# Altium PCB XTRXr5.PcbDoc (part 3 of 5)
Units mm, origin at the board's own origin, x right, y up, seen from the top; angles counter-clockwise.
Board outline 50.8 x 29.7 mm, 8 copper layers (Top Layer, Layer 2 Plain, Layer 3, Layer 4, Layer 5 Plane, Layer 6, Layer 7 Plane, Bottom Layer), stack 1.008 mm thick; 452 components, 359 nets, 1868 pads, 1040 vias.
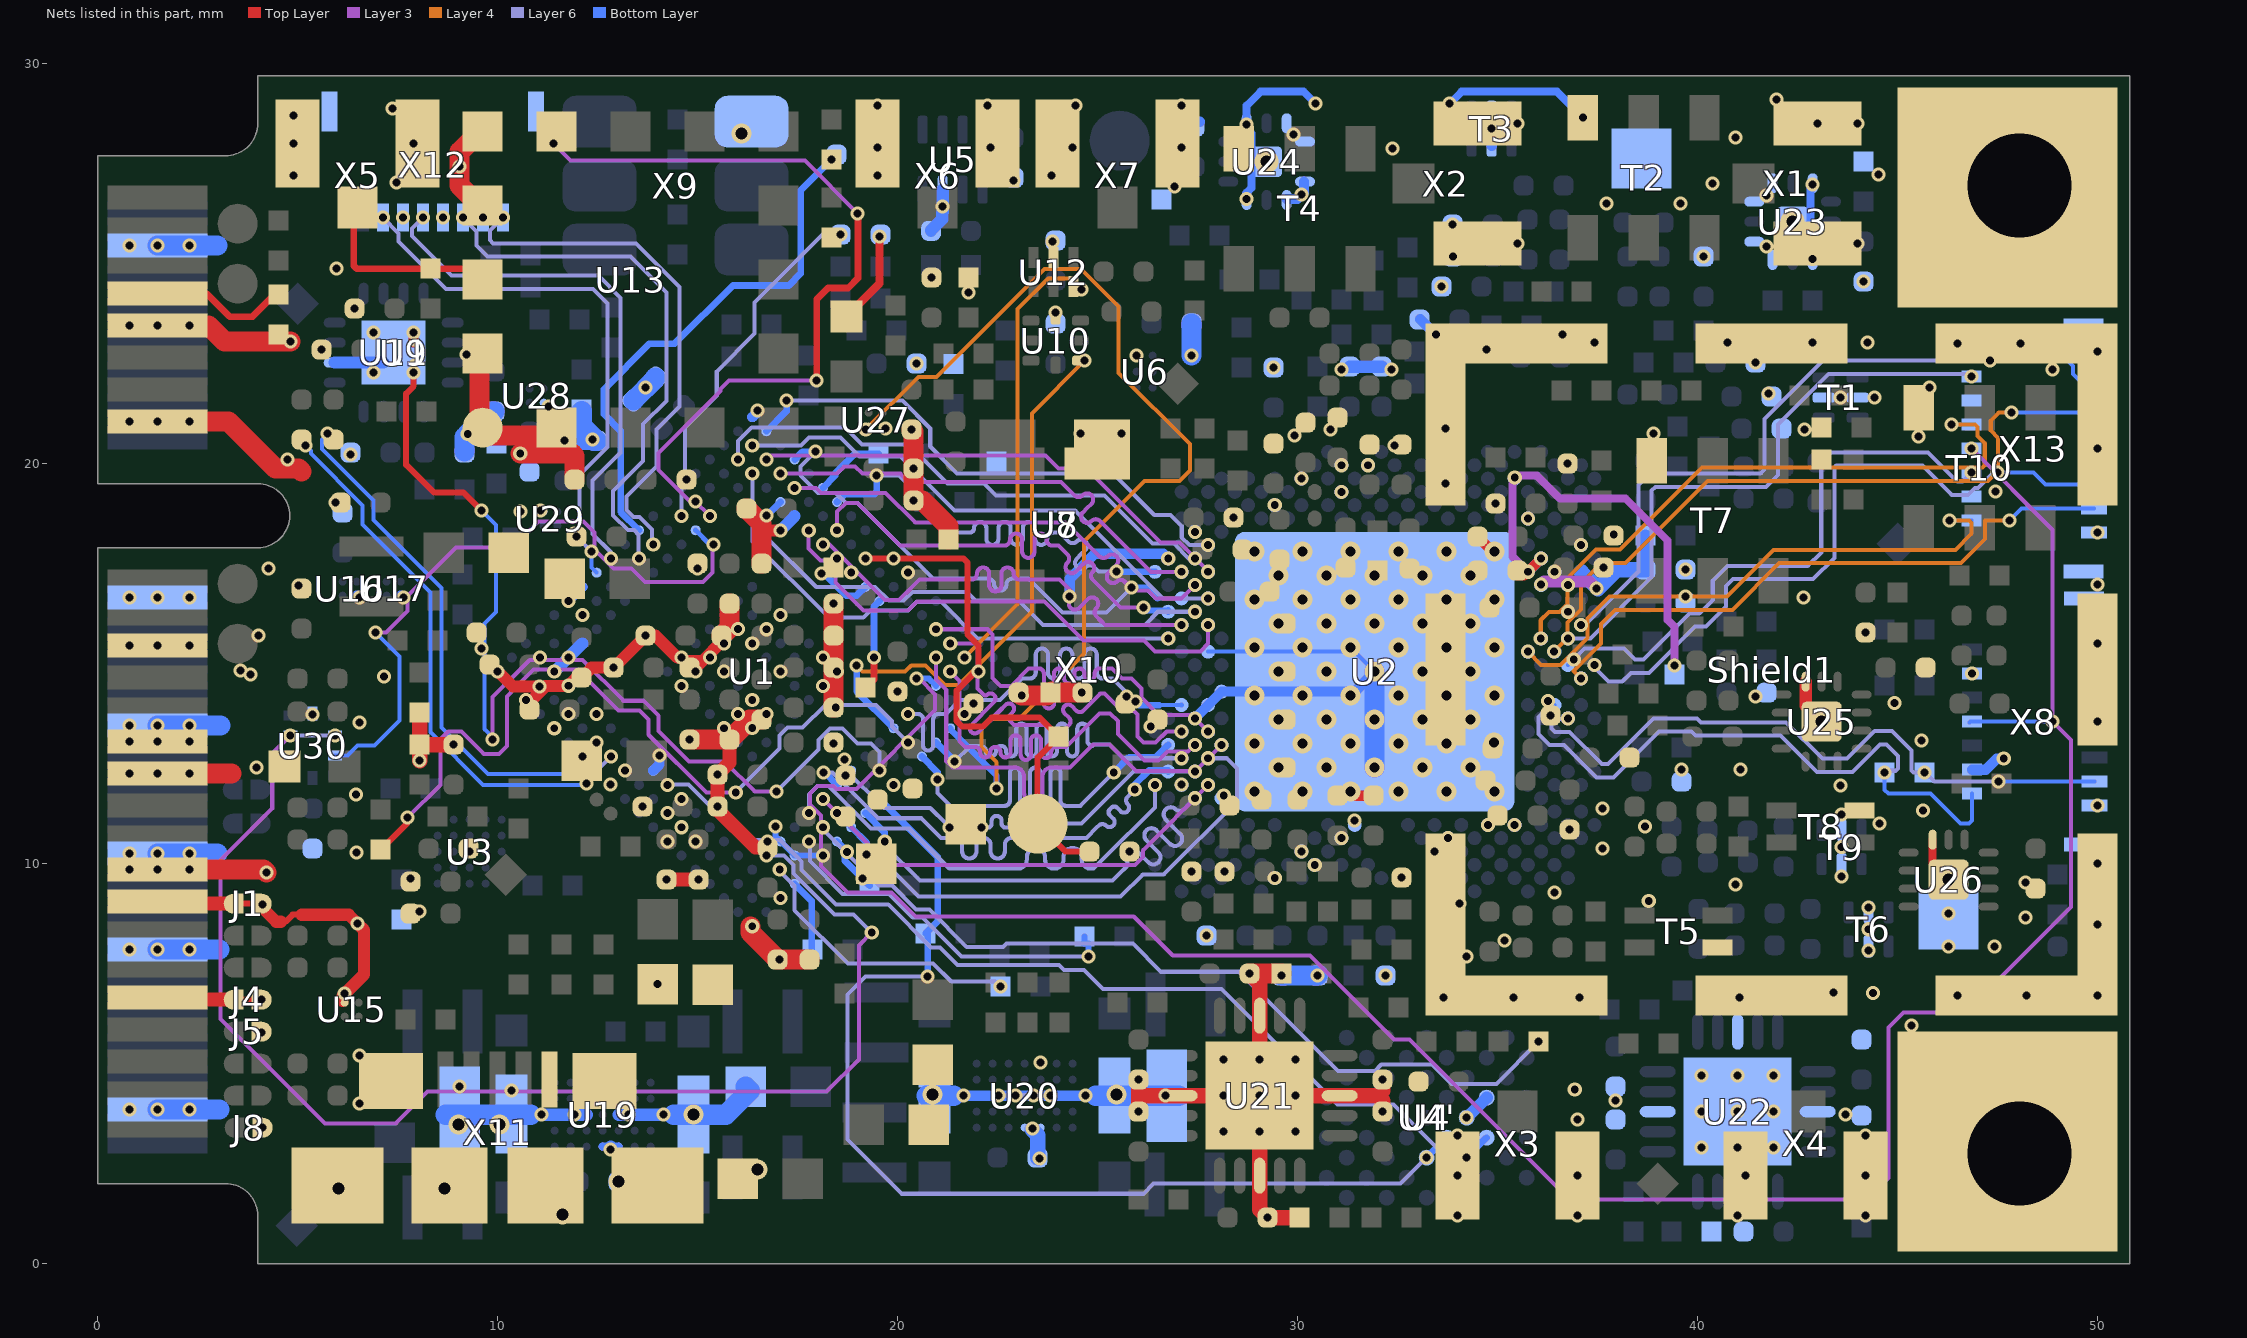
[diagram p9: the nets of this part, all layers, seen from the top]

## Via types
v1: diameter 0.352, hole 0.198, Top Layer to Bottom Layer, tented both sides, 495 vias
v2: diameter 0.352, hole 0.198, Layer 6 to Bottom Layer, tented both sides, 218 vias
v3: diameter 0.352, hole 0.198, Top Layer to Layer 3, tented both sides, 102 vias
v4: diameter 0.5, hole 0.3, Top Layer to Bottom Layer, tented both sides, 78 vias
v5: diameter 0.5, hole 0.25, Top Layer to Bottom Layer, tented both sides, 61 vias
v6: diameter 0.352, hole 0.198, Layer 6 to Bottom Layer, tented bottom, 31 vias
v7: diameter 0.352, hole 0.198, Top Layer to Bottom Layer, tented bottom, 19 vias
v8: diameter 0.29, hole 0.13, Layer 6 to Bottom Layer, tented both sides, 16 vias
v9: diameter 0.352, hole 0.198, Top Layer to Layer 3, tented top, 7 vias
v10: diameter 0.352, hole 0.198, Top Layer to Layer 3, tented bottom, 6 vias
v11: diameter 0.6, hole 0.3, Top Layer to Bottom Layer, tented both sides, 4 vias
v12: diameter 0.29, hole 0.13, Layer 6 to Bottom Layer, tented bottom, 2 vias
v13: diameter 0.352, hole 0.198, Top Layer to Layer 3, 1 vias

## Nets (pads, with @x,y where several pads share a name; then routed paths per layer and width w, separated by ;. In a path a pad name is that pad's centre, name@x,y a point inside that pad or via, vN(x,y) a via of type N, cw(c..) or ccw(c..) an arc to the next point about the centre after c; other vN are vias at no path point) (continued)
ADC2Q_N: R84.2 U2.Y4 X8.14 | length 16.2
  Layer 6 w0.102: v2(36.259,14.065) 36.243,14.05 36.243,13.885 36.02,13.662 36.02,13.238 36.291,12.967 36.657,12.967 37.465,12.159 37.891,12.159 39.035,13.303 39.847,13.303 39.95,13.2 42.075,13.2 42.98,12.295 43.874,12.295 44.563,12.984 44.716,12.984 45.01,12.69 45.01,12.382 44.95,12.323 44.723,12.323 v2(44.675,12.275)
  Bottom Layer w0.102: v2(36.259,14.065) 36.357,13.968 U2.Y4@36.421,13.968 ; v2(44.675,12.275) 44.675,11.841 44.766,11.75 45.826,11.75 46.576,11 46.781,11 46.86,11.079 X8.14@46.86,11.75
ADC2Q_P: R84.1 U2.AA3 X8.13 | length 16.6
  Layer 6 w0.102: v2(36.754,13.634) 36.738,13.619 36.444,13.619 36.35,13.525 36.35,13.375 36.428,13.297 36.794,13.297 37.602,12.489 37.754,12.489 38.898,13.633 39.984,13.633 40.087,13.53 42.212,13.53 43.116,12.626 43.738,12.626 44.426,13.314 44.853,13.314 45.34,12.827 45.34,12.335 45.4,12.275 v2(45.675,12.275) 45.689,12.275 45.914,12.05 v2(47.525,12.05) 47.541,12.05 v2@47.55,12.059
  Bottom Layer w0.102: v2(47.525,12.05) X8.13@49.925,12.05
C0_N: C31.2 U1.A8 | length 13
  Bottom Layer w0.102: v1(5.75,20.75) 5.607,20.607 5.607,20.368 6.9,19.075 6.9,18.591 8.598,16.893 8.598,13.402 9.753,12.247 12.008,12.247 12.089,12.328 12.361,12.328 12.364,12.325 U1.A8@12.475,12.325
C0_P: C30.2 U1.B8 | length 13.9
  Layer 6 w0.102: v2(12.225,12) 12.225,12.075 v2(12.828,12.679)
  Bottom Layer w0.102: v1@5.2,20.4 v1(5.2,20.451) 5.328,20.323 5.328,20.252 6.621,18.959 6.621,18.475 8.318,16.777 8.318,13.287 9.637,11.968 12.207,11.968 12.225,11.986 v2(12.225,12)
CLK_REQUEST#: R54.2 X10.7 | length 3.5
  Top Layer w0.17: X10.7@1.5,24.25 2.725,24.25 3.3,23.675 3.875,23.675 4.4,24.2 R54.2@4.525,24.2
DAC1I_N: U2.P2 X13.3 | length 18.1
  Layer 6 w0.102: v2(37.087,15.966) 37.186,15.966 38.52,17.299 38.52,19.462 38.809,19.751 41.576,19.751 41.675,19.85 41.675,21.117 43.133,22.575 47.075,22.575 v2(47.307,22.575)
  Bottom Layer w0.102: v2(47.307,22.575) 48.391,22.575 48.541,22.725 49.103,22.725 49.381,22.446 49.381,22.244 49.751,21.875 X13.3@49.913,21.875
DAC1I_P: U2.R3 X13.2 | length 14.9
  Layer 6 w0.102: v2(36.754,15.633) 37.32,15.633 38.85,17.163 38.85,19.325 38.946,19.421 41.713,19.421 42.005,19.713 42.005,20.98 43.27,22.245 46.778,22.245 v2(46.848,22.175)
DAC1Q_N: U2.R5 X13.6 | length 15.7
  Layer 4 w0.102: v1(36.077,15.626) 36.077,16.086 36.284,16.294 36.547,16.294 36.749,16.495 36.749,17.146 37.328,17.725 37.455,17.851 38.059,17.851 40.11,19.902 47.121,19.902 47.176,19.958 47.176,20.511 46.997,20.691 46.997,20.915 46.938,20.975 v1(46.35,20.975)
  Bottom Layer w0.102: v1(46.35,20.975) X13.6@46.848,20.975
DAC1Q_P: U2.T4 X13.5 | length 17.6
  Layer 4 w0.102: v1(36.411,15.309) 36.749,15.647 36.749,16.029 37.079,16.359 37.079,17.009 37.591,17.521 38.196,17.521 40.247,19.572 47.257,19.572 47.507,19.821 47.507,20.648 47.327,20.827 47.327,21.075 47.527,21.275 v1(47.85,21.275)
  Bottom Layer w0.102: v1@47.85,21.275 49.65,21.275 49.725,21.2 49.8,21.275 X13.5@49.913,21.275
DAC2I_N: U2.U1 X13.11 | length 17.2
  Layer 6 w0.102: v2(37.42,14.967) 37.42,14.899 37.768,14.55 38.114,14.55 38.334,14.77 38.78,14.77 39.936,15.925 40.207,15.925 40.707,16.425 40.707,16.943 40.879,17.114 42.888,17.114 43.42,17.646 43.42,19.905 43.465,19.95 45.622,19.95 46.352,19.22 46.759,19.22 46.934,19.395 47.01,19.395 47.39,19.775 v2(47.5,19.775)
  Bottom Layer w0.102: v2(47.5,19.775) 48.398,19.775 48.698,19.475 X13.11@49.913,19.475
DAC2I_P: U2.U3 X13.10 | length 14.5
  Layer 6 w0.102: v2(36.902,15.101) 37.176,15.375 38.163,15.375 38.438,15.1 38.644,15.1 39.799,16.255 40.04,16.255 40.377,16.593 40.377,17.08 40.742,17.444 42.751,17.444 43.089,17.783 43.089,20.042 43.328,20.28 45.759,20.28 46.489,19.55 46.623,19.55 v2(46.848,19.775)
  Bottom Layer w0.102: U2.U3@36.754,14.967 36.888,15.101 v2(36.902,15.101)
DAC2Q_N: U2.T6 X13.14 | length 14.3
  Layer 4 w0.102: v1(35.755,15.3) 36.086,14.968 36.57,14.968 37.25,15.648 37.25,16.129 37.796,16.675 40.729,16.675 41.9,17.846 46.445,17.846 46.848,18.249 46.848,18.515 46.788,18.575 v1(46.3,18.575)
  Bottom Layer w0.102: v1(46.3,18.575) X13.14@46.848,18.575
DAC2Q_P: U2.V2 X13.13 | length 15.5
  Layer 4 w0.102: v1(37.087,14.634) 36.9,14.82 37.58,15.5 37.58,15.992 37.933,16.345 40.866,16.345 42.037,17.516 46.582,17.516 47.178,18.112 47.178,18.575 v1(47.8,18.575)
  Bottom Layer w0.102: v1(47.8,18.575) 48.1,18.875 X13.13@49.913,18.875
DIQ1_0: U1.J19 U2.AG31 | length 13
  Layer 6 w0.102: v2(19.676,10.551) 19.676,10.46 20.561,9.575 25.368,9.575 25.475,9.682 25.544,9.751 25.716,9.923 ccw(c25.638,10.002) 25.716,10.081 cw(c25.842,10.207) 25.716,10.332 cw(c25.842,10.207) 25.968,10.332 26.047,10.254 26.267,10.033 ccw(c26.392,10.159) 26.518,10.033 ccw(c26.392,10.159) 26.518,10.285 26.298,10.505 26.219,10.584 cw(c26.345,10.709) 26.219,10.835 cw(c26.345,10.709) 26.471,10.835 26.549,10.756 26.809,10.497 ccw(c26.935,10.622) 27.061,10.497 ccw(c26.935,10.622) 27.061,10.748 26.801,11.008 26.701,11.108 cw(c26.827,11.234) 26.701,11.359 cw(c26.827,11.234) 26.952,11.359 ccw(c27.052,11.459) 27.152,11.359 27.304,11.511 v2(27.43,11.637)
  Bottom Layer w0.17: U1.J19@19.192,11.264 19.676,10.781 v2(19.676,10.551)
DIQ1_1: U1.H17 U2.AF30 | length 11.2
  Layer 3 w0.102: v1(18.132,11.618) 19.778,9.972 25.936,9.972 26.128,10.164 26.128,10.335 v1(27.763,11.969)
DIQ1_2: U1.G17 U2.AF34 | length 12.5
  Layer 6 w0.102: v2(17.778,11.264) 17.778,11.729 17.996,11.946 18.268,11.946 19.333,10.881 20.283,10.881 21.289,9.875 23,9.875 ccw(c23,10.104) 23.229,10.104 23.229,10.164 cw(c23.457,10.164) 23.457,10.393 cw(c23.457,10.164) 23.686,10.164 23.686,10.104 ccw(c23.914,10.104) 23.914,9.875 ccw(c23.914,10.104) 24.143,10.104 24.143,10.164 cw(c24.372,10.164) 24.372,10.393 cw(c24.372,10.164) 24.6,10.164 24.6,10.104 ccw(c24.829,10.104) 24.829,9.875 24.9,9.875 25.062,10.037 25.15,10.125 26.431,11.406 v2(26.431,11.969)
DIQ1_3: U1.K17 U2.AE31 | length 12.6
  Layer 6 w0.102: v2(18.675,12.6) 18.675,12.372 19.658,11.389 20.814,11.389 21.203,11 21.33,11 21.584,11 ccw(c21.684,11) 21.684,10.901 21.739,10.901 ccw(c21.739,11) 21.838,11 21.838,11.066 cw(c21.965,11.066) 21.965,11.193 cw(c21.965,11.066) 22.092,11.066 22.092,11 ccw(c22.192,11) 22.192,10.901 22.247,10.901 ccw(c22.247,11) 22.346,11 22.346,11.066 cw(c22.473,11.066) 22.473,11.193 cw(c22.473,11.066) 22.6,11.066 22.6,11 ccw(c22.7,11) 22.7,10.901 22.755,10.901 ccw(c22.755,11) 22.854,11 22.854,11.109 cw(c22.981,11.109) 22.981,11.236 cw(c22.981,11.109) 23.108,11.109 23.108,11 ccw(c23.208,11) 23.208,10.901 23.263,10.901 ccw(c23.263,11) 23.362,11 23.362,11.109 cw(c23.489,11.109) 23.489,11.236 cw(c23.489,11.109) 23.616,11.109 23.616,11 ccw(c23.716,11) 23.716,10.901 23.771,10.901 ccw(c23.771,11) 23.87,11 23.87,11.109 cw(c23.997,11.109) 23.997,11.236 cw(c23.997,11.109) 24.124,11.109 ccw(c24.233,11.109) 24.233,11 24.378,11 24.525,11 24.59,11 25.896,12.306 27.426,12.306 v2(27.43,12.303)
  Bottom Layer w0.102: v2(18.675,12.6) 18.675,12.489 U1.K17@18.839,12.325
DIQ1_4: U1.H19 U2.AD30 | length 13.2
  Layer 6 w0.102: v2(19.225,10.225) 19.466,10.225 20.516,9.175 25.575,9.175 26.127,9.727 26.651,9.727 28.48,11.556 28.48,12.383 28.227,12.635 v2(27.763,12.635)
  Bottom Layer w0.17: U1.H19@18.839,10.911 19.225,10.525 v2(19.225,10.225) ; U2.AD30@27.706,12.635 v2(27.763,12.635)
DIQ1_5: U1.U16 U2.AC29 | length 11.8
  Layer 3 w0.102: v7(20.96,15.154) 20.96,14.601 21.214,14.347 21.214,12.561 21.372,12.403 22.475,12.403 22.704,12.403 22.932,12.403 cw(c22.932,12.175) 23.161,12.175 23.161,11.768 ccw(c23.389,11.768) 23.389,11.54 ccw(c23.389,11.768) 23.618,11.768 23.618,12.175 cw(c23.847,12.175) 23.847,12.403 23.925,12.403 24.309,12.403 24.885,12.979 25.296,12.979 25.954,12.321 27.448,12.321 v1(28.096,12.969)
DIQ1_6: U1.J17 U2.AE33 | length 12.8
  Layer 6 w0.102: v2(18.15,12.275) 18.375,12.275 19.515,11.135 20.59,11.135 21.078,10.647 21.256,10.647 21.434,10.647 cw(c21.434,10.469) 21.612,10.469 21.612,10.307 ccw(c21.79,10.307) 21.79,10.129 ccw(c21.79,10.307) 21.967,10.307 21.967,10.469 cw(c22.145,10.469) 22.145,10.647 cw(c22.145,10.469) 22.323,10.469 22.323,10.307 ccw(c22.501,10.307) 22.501,10.129 ccw(c22.501,10.307) 22.679,10.307 22.679,10.469 cw(c22.856,10.469) 22.856,10.647 23.034,10.647 23.3,10.647 24.722,10.647 24.988,10.912 25.028,10.953 cw(c25.118,10.863) 25.208,10.953 ccw(c25.298,11.042) 25.387,10.953 ccw(c25.298,11.042) 25.387,11.132 25.298,11.222 cw(c25.361,11.285) 25.298,11.348 25.351,11.402 cw(c25.414,11.338) 25.477,11.402 25.567,11.312 ; 25.567,11.312 ccw(c25.657,11.402) 25.747,11.312 ccw(c25.657,11.402) 25.747,11.491 cw(c25.836,11.581) 25.747,11.671 25.836,11.761 v2(25.926,11.851)
  Bottom Layer w0.17: v2(18.15,12.275) 18.182,12.275 U1.J17@18.485,11.972 ; v2(25.926,11.851) 25.926,11.978 26.28,12.332 26.764,12.332 U2.AE33@26.764,12.303
DIQ1_7: U1.P19 U2.AD32 | length 12.5
  Layer 6 w0.102: v2(21.425,12.55) 21.822,12.947 21.949,12.947 22.076,12.947 cw(c22.076,12.82) 22.203,12.82 22.203,12.808 ccw(c22.33,12.808) 22.33,12.681 ccw(c22.33,12.808) 22.457,12.808 22.457,12.82 cw(c22.584,12.82) 22.584,12.947 cw(c22.584,12.82) 22.711,12.82 22.711,12.808 ccw(c22.838,12.808) 22.838,12.681 ccw(c22.838,12.808) 22.965,12.808 22.965,12.947 22.965,13.372 cw(c23.092,13.372) 23.092,13.499 cw(c23.092,13.372) 23.219,13.372 23.219,12.947 23.219,12.808 ccw(c23.346,12.808) 23.346,12.681 ccw(c23.346,12.808) 23.473,12.808 23.473,12.947 23.473,13.372 cw(c23.6,13.372) 23.6,13.499 cw(c23.6,13.372) 23.727,13.372 23.727,12.947 23.727,12.808 ccw(c23.854,12.808) 23.854,12.681 ccw(c23.854,12.808) 23.981,12.808 23.981,12.947 23.981,13.372 cw(c24.108,13.372) 24.108,13.499 cw(c24.108,13.372) 24.235,13.372 24.235,12.947 24.235,12.808 ccw(c24.362,12.808) 24.362,12.681 ccw(c24.362,12.808) 24.489,12.808 24.489,12.947 24.489,13.372 cw(c24.616,13.372) 24.616,13.499 cw(c24.616,13.372) 24.743,13.372 24.743,13.074 ccw(c24.87,13.074) 24.87,12.947 24.875,12.947 24.907,12.979 25.296,12.979 25.639,12.635 v2(27.097,12.635)
  Bottom Layer w0.17: U1.P19@20.96,13.032 21.425,12.567 v2(21.425,12.55)
DIQ1_8: U1.U17 U2.AC31 | length 11.5
  Layer 3 w0.102: v7(21.314,14.8) 21.55,14.564 21.55,13.05 21.678,12.922 21.805,12.922 21.932,12.922 cw(c21.932,12.795) 22.059,12.795 22.059,12.784 ccw(c22.186,12.784) 22.186,12.657 ccw(c22.186,12.784) 22.313,12.784 22.313,12.795 cw(c22.44,12.795) 22.44,12.922 cw(c22.44,12.795) 22.567,12.795 22.567,12.784 ccw(c22.694,12.784) 22.694,12.657 ccw(c22.694,12.784) 22.821,12.784 22.821,12.922 22.821,13.081 cw(c22.948,13.081) 22.948,13.208 cw(c22.948,13.081) 23.075,13.081 23.075,12.922 23.075,12.721 ccw(c23.202,12.721) 23.202,12.594 ccw(c23.202,12.721) 23.329,12.721 23.329,12.922 23.329,13.081 cw(c23.456,13.081) 23.456,13.208 cw(c23.456,13.081) 23.583,13.081 23.583,12.922 23.583,12.769 ccw(c23.71,12.769) 23.71,12.642 ccw(c23.71,12.769) 23.837,12.769 23.837,12.795 cw(c23.964,12.795) 23.964,12.922 24.091,12.922 24.15,12.922 24.208,12.922 25.04,13.754 25.312,13.754 25.505,13.562 25.505,13.245 26.175,12.575 26.525,12.575 26.75,12.8 27.261,12.8 v1@27.43,12.969
  other v1: 27.43,12.97
DIQ1_9: U1.N19 U2.AC33 | length 12.7
  Layer 6 w0.102: v6(21,12.1) 21,11.762 21.315,11.447 22.677,11.447 ccw(c22.677,11.574) 22.804,11.574 22.804,12.272 cw(c22.931,12.272) 22.931,12.399 cw(c22.931,12.272) 23.058,12.272 23.058,11.574 ccw(c23.185,11.574) 23.185,11.447 ccw(c23.185,11.574) 23.312,11.574 23.312,12.272 cw(c23.439,12.272) 23.439,12.399 cw(c23.439,12.272) 23.566,12.272 23.566,11.574 ccw(c23.693,11.574) 23.693,11.447 ccw(c23.693,11.574) 23.82,11.574 23.82,12.272 cw(c23.947,12.272) 23.947,12.399 cw(c23.947,12.272) 24.074,12.272 24.074,11.574 ccw(c24.201,11.574) 24.201,11.447 24.328,11.447 24.573,11.447 24.575,11.449 v2(25.401,12.276)
  Bottom Layer w0.17: U1.N19@20.607,12.679 21,12.285 v6(21,12.1) ; v2(25.401,12.276) 25.788,12.662 26.457,12.662 U2.AC33@26.764,12.969
DIQ1_10: U1.V15 U2.AB30 | length 11.7
  Layer 3 w0.102: v1(20.96,15.861) 22.247,15.861 22.374,15.733 22.374,14.641 22.522,14.494 22.568,14.447 22.84,14.447 23.272,14.88 23.399,14.88 23.526,14.88 cw(c23.526,14.753) 23.653,14.753 23.653,14.009 ccw(c23.78,14.009) 23.78,13.882 ccw(c23.78,14.009) 23.907,14.009 23.907,14.753 cw(c24.034,14.753) 24.034,14.88 cw(c24.034,14.753) 24.161,14.753 24.161,14.631 ccw(c24.288,14.631) 24.288,14.504 ccw(c24.288,14.631) 24.415,14.631 24.415,14.753 cw(c24.542,14.753) 24.542,14.88 cw(c24.542,14.753) 24.669,14.753 24.669,14.712 ccw(c24.796,14.712) 24.796,14.585 ccw(c24.796,14.712) 24.923,14.712 24.923,14.753 cw(c25.05,14.753) 25.05,14.88 25.177,14.88 25.353,14.88 25.604,14.629 25.845,14.629 26.091,14.383 26.091,14.149 26.522,13.718 27.346,13.718 v1(27.763,13.301)
DIQ1_11: U1.V16 U2.AB32 | length 11.6
  Layer 3 w0.102: v1(21.314,15.507) 21.925,15.507 21.996,15.436 21.996,14.379 22.103,14.272 22.156,14.219 ccw(c22.192,14.255) 22.229,14.219 cw(c22.318,14.129) 22.408,14.219 cw(c22.318,14.129) 22.408,14.039 22.372,14.003 21.841,13.472 ccw(c21.931,13.382) 21.841,13.293 ccw(c21.931,13.382) 22.021,13.293 22.552,13.823 22.693,13.965 cw(c22.783,13.875) 22.873,13.965 cw(c22.783,13.875) 22.873,13.785 22.821,13.734 ccw(c22.911,13.644) 22.821,13.554 22.911,13.464 22.913,13.462 23.763,13.462 23.875,13.35 24.037,13.35 24.164,13.35 24.194,13.379 24.284,13.469 ccw(c24.194,13.559) 24.284,13.649 24.173,13.76 cw(c24.263,13.85) 24.173,13.939 cw(c24.263,13.85) 24.352,13.939 24.463,13.828 ccw(c24.553,13.918) 24.643,13.828 24.733,13.918 24.822,14.008 25.064,14.25 25.176,14.25 25.601,13.825 25.9,13.825 25.998,13.727 25.998,13.177 26.15,13.025 26.45,13.025 26.726,13.301 v1(27.097,13.301)
DIQ2_0: U1.W2 U2.H30 | length 13.4
  Layer 6 w0.102: v2(17.225,21.575) 17.228,21.578 20.117,21.578 20.814,20.882 20.814,20.424 21.481,19.757 25.378,19.757 26.414,18.722 26.818,18.722 27.101,18.438 27.101,18.16 27.298,17.964 v2(27.763,17.964)
  Bottom Layer w0.17: U1.W2@16.718,20.81 17.225,21.318 v2(17.225,21.575)
DIQ2_1: U1.U2 U2.J31 | length 13.4
  Layer 6 w0.102: v2(16.01,20.103) 16.01,20.568 16.351,20.908 18.679,20.908 19.113,20.475 20.275,20.475 21.247,19.503 22.157,19.503 22.461,19.2 25.175,19.2 26.375,18 26.902,18 27.272,17.631 v2(27.43,17.631)
DIQ2_2: U1.V3 U2.K30 | length 12.3
  Layer 3 w0.102: v1(16.718,20.103) 16.818,20.203 23.697,20.203 24.025,19.875 24.725,19.875 26.575,18.025 27.05,18.025 27.763,17.312 v1(27.763,17.298)
DIQ2_3: U1.V4 U2.K32 | length 12
  Layer 3 w0.102: v1(17.071,19.75) 18.485,19.75 18.665,19.929 18.937,19.929 19.117,19.75 20.072,19.75 20.072,19.739 20.264,19.547 24.078,19.547 24.412,19.212 ccw(c24.52,19.32) 24.628,19.212 cw(c24.736,19.105) 24.844,19.213 cw(c24.736,19.105) 24.844,18.997 24.736,18.889 24.628,18.781 ccw(c24.736,18.674) 24.628,18.566 ccw(c24.736,18.674) 24.844,18.566 cw(c24.951,18.458) 25.059,18.566 25.125,18.5 26.327,17.298 v1(27.097,17.298)
DIQ2_4: U1.V5 U2.L31 | length 12.1
  Layer 3 w0.102: v1(17.425,19.396) 17.954,19.396 18.079,19.271 19.693,19.271 20.439,18.525 24.2,18.525 25,17.725 25.038,17.687 ccw(c25.146,17.795) 25.253,17.687 cw(c25.361,17.579) 25.469,17.687 cw(c25.361,17.579) 25.469,17.472 25.361,17.364 25.274,17.276 ccw(c25.381,17.168) 25.274,17.061 ccw(c25.381,17.168) 25.489,17.061 cw(c25.577,16.973) 25.664,17.061 25.792,16.933 25.9,16.825 26.252,16.825 26.452,16.625 27.09,16.625 v1(27.43,16.965)
DIQ2_5: U1.W7 U2.K34 | length 12.8
  Layer 6 w0.102: v2(19.475,19.7) 20.028,19.7 21.453,18.275 21.606,18.275 21.792,18.275 ccw(c21.792,18.394) 21.911,18.394 cw(c22.063,18.394) 22.063,18.546 cw(c22.063,18.394) 22.215,18.394 22.215,18.275 22.215,18.123 ccw(c22.368,18.123) 22.368,17.97 ccw(c22.368,18.123) 22.52,18.123 22.52,18.275 22.52,18.394 cw(c22.673,18.394) 22.673,18.546 cw(c22.673,18.394) 22.825,18.394 22.825,18.275 22.825,18.123 ccw(c22.977,18.123) 22.977,17.97 ccw(c22.977,18.123) 23.13,18.123 23.13,18.275 23.13,18.394 cw(c23.282,18.394) 23.282,18.546 cw(c23.282,18.394) 23.435,18.394 23.435,18.275 23.435,18.123 ccw(c23.587,18.123) 23.587,17.97 ccw(c23.587,18.123) 23.739,18.123 cw(c23.892,18.123) 23.892,18.275 24.044,18.275 24.05,18.275 24.157,18.167 24.265,18.059 ccw(c24.373,18.167) 24.481,18.059 cw(c24.588,17.952) 24.696,18.059 cw(c24.588,17.952) 24.696,17.844 24.588,17.736 24.481,17.628 ccw(c24.588,17.521) 24.481,17.413 ccw(c24.588,17.521) 24.696,17.413 cw(c24.804,17.305) 24.912,17.413 25.02,17.305 25.025,17.3 v2(25.475,17.3)
  Bottom Layer w0.17: U1.W7@18.485,19.043 18.681,19.238 19.417,19.238 19.475,19.296 v2(19.475,19.7) ; v2(25.475,17.3) 25.478,17.298 U2.K34@26.431,17.298
DIQ2_6: U1.V2 U2.M30 | length 13.2
  Layer 6 w0.102: v2(16.364,20.457) 17.582,20.457 17.779,20.654 18.574,20.654 19.049,20.179 20.071,20.179 21.425,18.825 24.439,18.825 26.632,16.632 v2(27.763,16.632)
  Bottom Layer w0.102: U2.M30@27.763,16.64 v2(27.763,16.632) U2.M30@27.768,16.632
DIQ2_7: U1.W4 U2.M32 | length 13
  Layer 6 w0.102: v2(17.95,20.3) 17.575,19.925 17.575,19.71 18.013,19.273 18.448,19.273 18.703,19.017 18.993,19.017 20.885,17.125 22.175,17.125 22.269,17.125 cw(c22.269,16.981) 22.413,16.981 ccw(c22.565,16.981) 22.565,16.829 ccw(c22.565,16.981) 22.718,16.981 cw(c22.861,16.981) 22.861,17.125 23.023,17.125 23.175,17.125 23.275,17.125 24.125,16.275 25.22,16.275 v2(25.847,16.902)
  Bottom Layer w0.102: 26.493,16.632 U2.M32@27.097,16.632
  Bottom Layer w0.15: 26.225,16.9 26.493,16.632
  Bottom Layer w0.17: U1.W4@17.425,20.103 17.428,20.103 17.625,20.3 v2(17.95,20.3) ; v2@25.85,16.9 26.225,16.9
DIQ2_8: U1.U5 U2.N31 | length 13
  Layer 6 w0.102: v2(16.725,18.7) 16.725,18.161 17.964,16.922 19.435,16.922 19.777,16.579 20.148,16.579 20.365,16.797 21.728,16.797 21.95,16.575 23.025,16.575 23.629,15.971 26.185,15.971 26.513,16.299 v2(27.43,16.299)
  Bottom Layer w0.102: U2.N31@27.428,16.3 v2(27.43,16.299)
  Bottom Layer w0.17: v2(16.725,18.7) 16.728,18.7 U1.U5@17.071,19.043
DIQ2_9: U1.V8 U2.N33 | length 12.1
  Layer 3 w0.102: v7(18.485,18.336) 18.485,18.8 18.703,19.017 18.993,19.017 20.061,17.95 22.525,17.95 22.656,17.95 ccw(c22.656,18.102) 22.808,18.102 cw(c22.961,18.102) 22.961,18.255 cw(c22.961,18.102) 23.113,18.102 23.113,17.95 23.113,17.798 ccw(c23.265,17.798) 23.265,17.645 ccw(c23.265,17.798) 23.418,17.798 23.418,17.95 23.418,18.102 cw(c23.57,18.102) 23.57,18.255 cw(c23.57,18.102) 23.723,18.102 ccw(c23.875,18.102) 23.875,17.95 24.025,17.95 24.133,17.842 24.241,17.734 cw(c24.133,17.627) 24.241,17.519 ccw(c24.348,17.411) 24.241,17.303 ccw(c24.348,17.411) 24.456,17.303 24.564,17.411 24.652,17.499 cw(c24.759,17.391) 24.867,17.499 cw(c24.759,17.391) 24.867,17.283 ccw(c24.955,17.196) 24.867,17.108 24.975,17 25.575,16.4 v1(26.15,16.4)